# Altium PCB MIS_Locker.PcbDoc (part 3 of 3)
Units mil, origin at the board's own origin, x right, y up, seen from the top; angles counter-clockwise.
Board outline 11360 x 6709 mil, 2 copper layers (Top Layer, Bottom Layer); 356 components, 209 nets, 1076 pads, 244 vias.
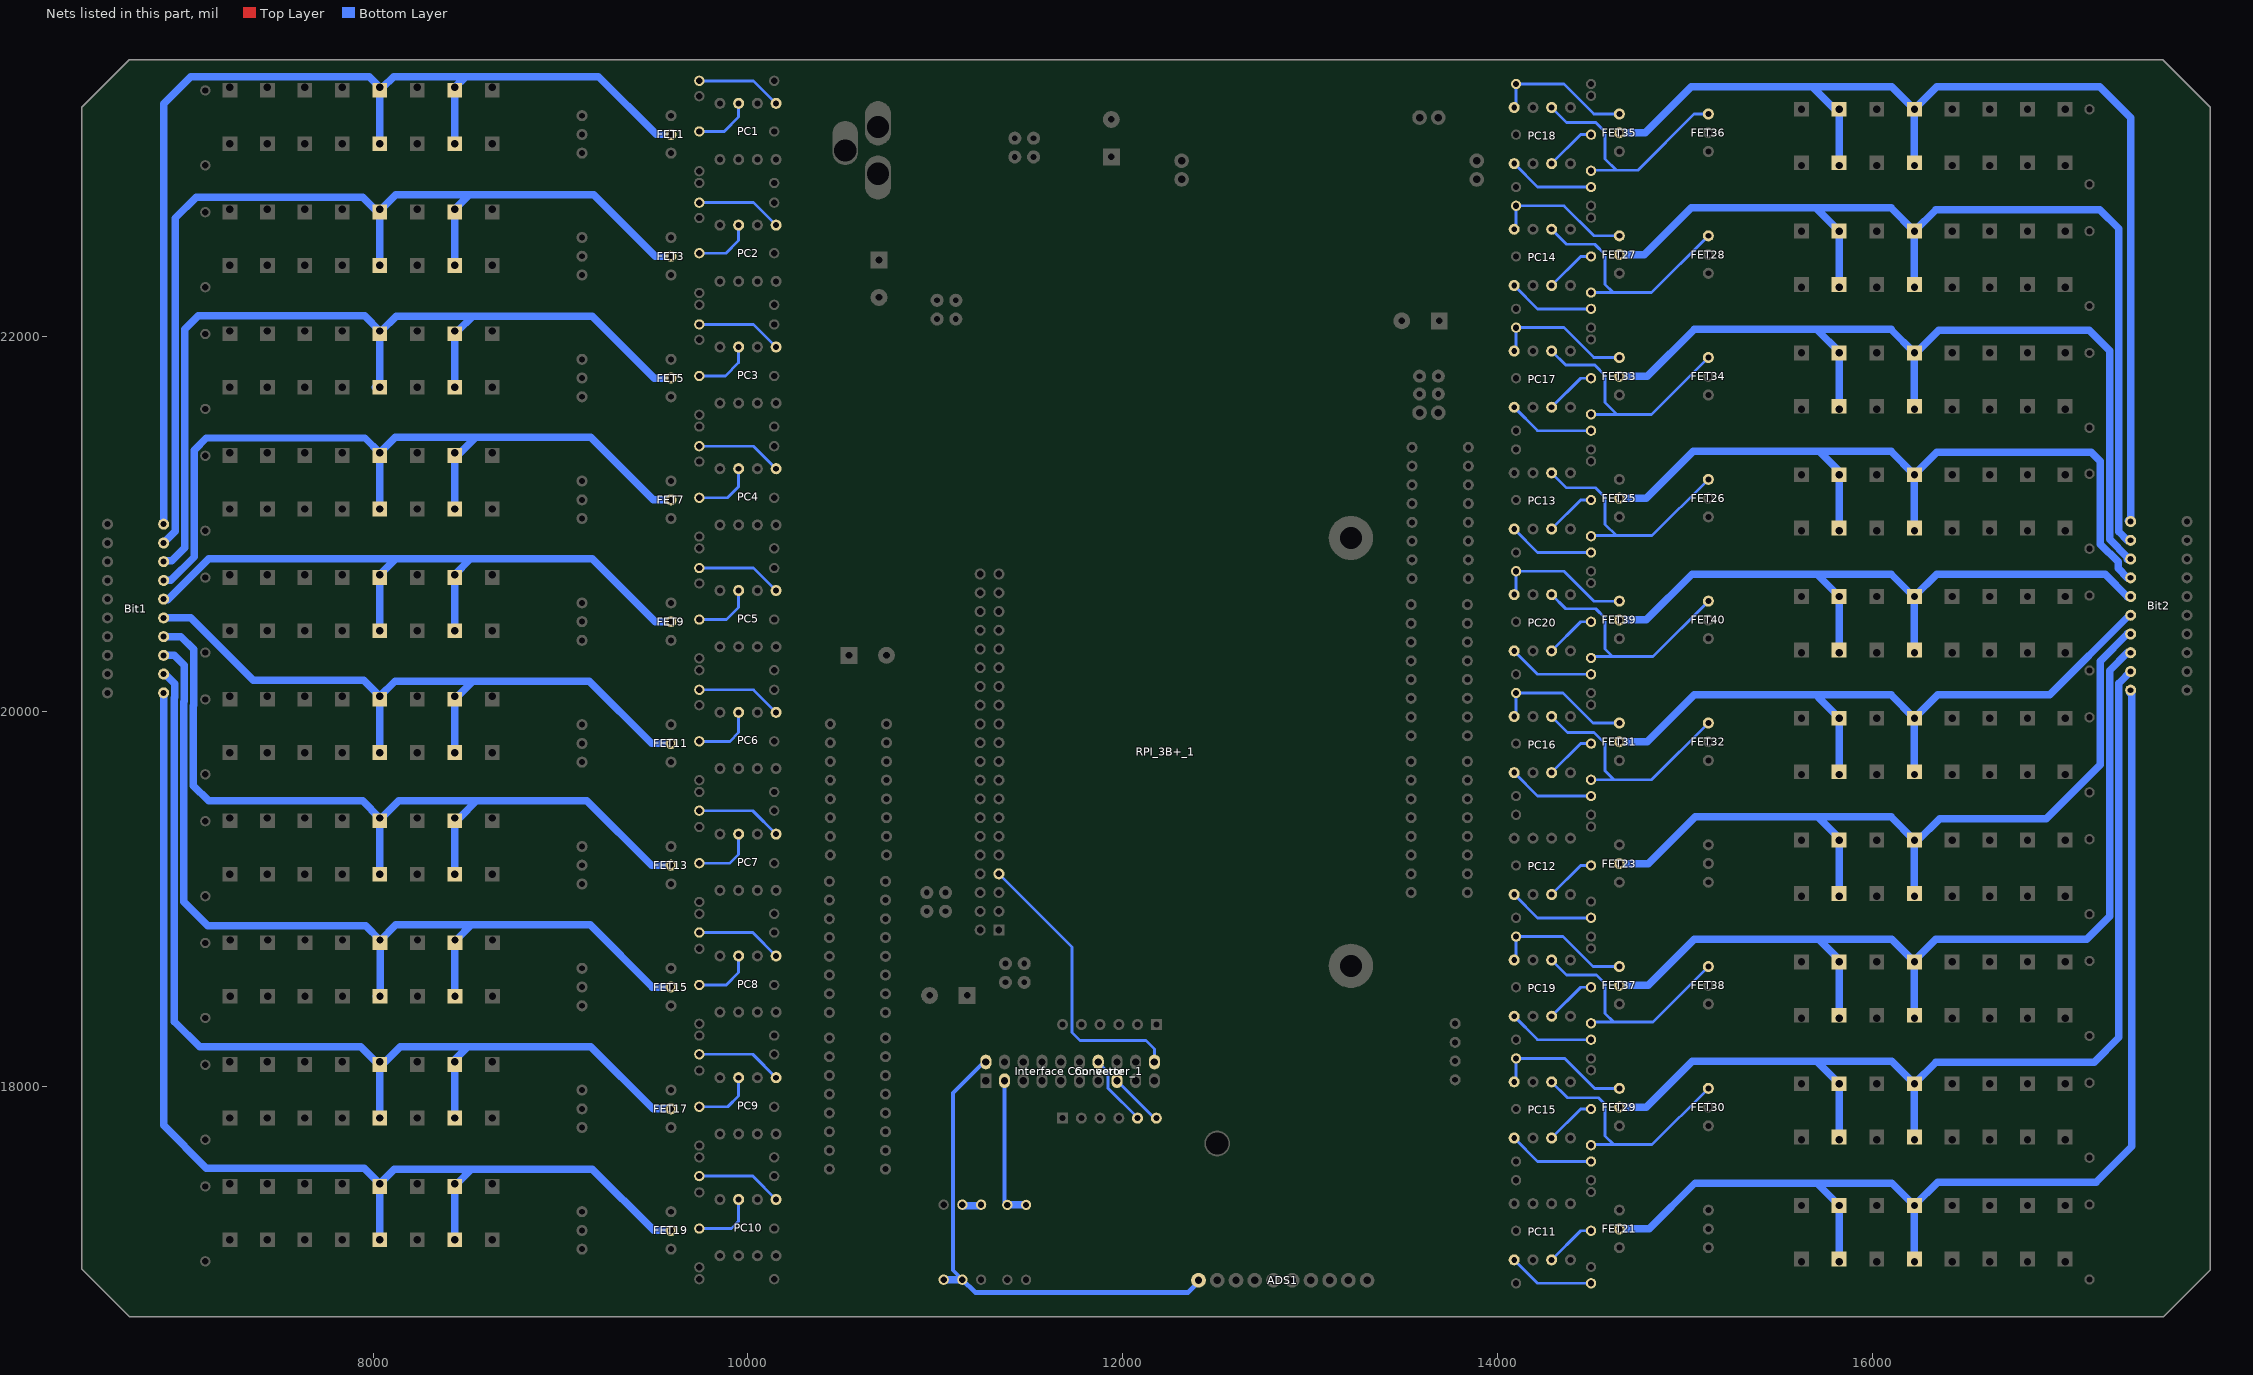
[diagram p3: the nets of this part, all layers, seen from the top]

## Via types
v1: diameter 50, hole 28, Top Layer to Bottom Layer, 208 vias
v2: diameter 25, hole 20, Top Layer to Bottom Layer, 31 vias
v3: diameter 137.8, hole 118.11, Top Layer to Bottom Layer, 4 vias
v4: diameter 25, hole 15, Top Layer to Bottom Layer, 1 vias

## Nets (pads, with @x,y where several pads share a name; then routed paths per layer and width w, separated by ;. In a path a pad name is that pad's centre, name@x,y a point inside that pad or via, vN(x,y) a via of type N, cw(c..) or ccw(c..) an arc to the next point about the centre after c; other vN are vias at no path point) (continued)
NetFET26_1: FET26.1 PC13.6 R73.1 | length 1320.2
  Bottom Layer w15: PC13.6@14290,21274.06 14370,21194.06 14525,21194.06 14575,21144.06 14575,20999.06 14635,20939.06 ; R73.1@14500,20936.06 14503,20939.06 14635,20939.06 ; FET26.1@15126,21239.13 14825.94,20939.06 14635,20939.06
NetFET27_1: FET27.1 PC14.8 R75.1 | length 746.4
  Bottom Layer w15: PC14.8@14090,22574.06 14100,22584.06 R75.1@14100,22699.06 14355,22699.06 14514.94,22539.13 FET27.1@14651,22539.13
NetFET28_1: FET28.1 PC14.6 R76.1 | length 1311.1
  Bottom Layer w15: PC14.6@14290,22574.06 14370,22494.06 14520,22494.06 14575,22439.06 14575,22279.06 14616.5,22237.56 ; R76.1@14500,22236.06 14822.94,22236.06 FET28.1@15126,22539.13
NetFET29_1: FET29.1 PC15.8 R82.1 | length 746.4
  Bottom Layer w15: PC15.8@14090,18024.06 14100,18034.06 R82.1@14100,18149.06 14360,18149.06 14519.94,17989.13 FET29.1@14651,17989.13
NetFET30_1: FET30.1 PC15.6 R83.1 | length 1320.3
  Bottom Layer w15: PC15.6@14290,18024.06 14375,17939.06 14540,17939.06 14575,17904.06 14575,17735 14620.94,17689.06 ; R83.1@14500,17686.06 14503,17689.06 14620.94,17689.06 ; FET30.1@15126,17989.13 14825.94,17689.06 14620.94,17689.06
NetFET31_1: FET31.1 PC16.8 R85.1 | length 746.4
  Bottom Layer w15: PC16.8@14090,19974.06 14100,19984.06 R85.1@14100,20099.06 14350,20099.06 14509.94,19939.13 FET31.1@14651,19939.13
NetFET32_1: FET32.1 PC16.6 R86.1 | length 1309.5
  Bottom Layer w15: PC16.6@14290,19974.06 14375,19889.06 14515,19889.06 14575,19829.06 14575,19684.06 14623,19636.06 ; R86.1@14500,19636.06 14623,19636.06 ; FET32.1@15126,19939.13 14822.94,19636.06 14623,19636.06
NetFET33_1: FET33.1 PC17.8 R88.1 | length 746.4
  Bottom Layer w15: PC17.8@14090,21924.06 14100,21934.06 R88.1@14100,22049.06 14355,22049.06 14514.94,21889.13 FET33.1@14651,21889.13
NetFET34_1: FET34.1 PC17.6 R89.1 | length 1324.5
  Bottom Layer w15: PC17.6@14290,21924.06 14365,21849.06 14520,21849.06 14575,21794.06 14575,21649.06 14638,21586.06 ; R89.1@14500,21586.06 14638,21586.06 ; FET34.1@15126,21889.13 14822.94,21586.06 14638,21586.06
NetFET35_1: FET35.1 PC18.8 R91.1 | length 746.4
  Bottom Layer w15: PC18.8@14090,23224.06 14100,23234.06 R91.1@14100,23349.06 14355,23349.06 14514.94,23189.13 FET35.1@14651,23189.13
NetFET36_1: FET36.1 PC18.6 R92.1 | length 1320.2
  Bottom Layer w15: PC18.6@14290,23224.06 14370,23144.06 14525,23144.06 14575,23094.06 14575,22949.06 14635,22889.06 ; R92.1@14500,22886.06 14503,22889.06 14635,22889.06 ; FET36.1@15126,23189.13 15050.06,23189.13 14750,22889.06 14635,22889.06
NetFET37_1: FET37.1 PC19.8 R98.1 | length 746.4
  Bottom Layer w15: PC19.8@14090,18674.06 14100,18684.06 R98.1@14100,18799.06 14350,18799.06 14509.94,18639.13 FET37.1@14651,18639.13
NetFET38_1: FET38.1 PC19.6 R99.1 | length 1313.3
  Bottom Layer w15: PC19.6@14290,18674.06 14370,18594.06 14530,18594.06 14575,18549.06 14575,18389.06 14620.94,18343.13 ; R99.1@14500,18336.06 14507.06,18343.13 14620.94,18343.13 ; FET38.1@15126,18639.13 14830,18343.13 14620.94,18343.13
NetFET39_1: FET39.1 PC20.8 R101.1 | length 746.4
  Bottom Layer w15: PC20.8@14090,20624.06 14100,20634.06 R101.1@14100,20749.06 14355,20749.06 14514.94,20589.13 FET39.1@14651,20589.13
NetFET40_1: FET40.1 PC20.6 R102.1 | length 1309.9
  Bottom Layer w15: PC20.6@14290,20624.06 14365,20549.06 14525,20549.06 14575,20499.06 14575,20334.06 14615,20294.06 ; R102.1@14500,20286.06 14508,20294.06 14615,20294.06 ; FET40.1@15126,20589.13 14830.94,20294.06 14615,20294.06
"NetInterface Connector_20": "Interface Connector.20" RPI_3B+_1.7 | length 1554
  Bottom Layer w15: RPI_3B+_1.7@11340.02,19134.06 11730,18744.08 11730,18288 11773,18245 12125,18245 12170,18200 12170,18130
NetPC1_1: PC1.1 R18.2 | length 459.7
  Bottom Layer w15: R18.2@9741,23366 10031,23366 PC1.1@10151,23246
NetPC1_3: PC1.3 R26.2 | length 314.9
  Bottom Layer w15: R26.2@9741,23096 9874,23096 9951,23173 PC1.3@9951,23246
NetPC2_1: PC2.1 R20.2 | length 459.7
  Bottom Layer w15: R20.2@9741,22716 10031,22716 PC2.1@10151,22596
NetPC2_3: PC2.3 R28.2 | length 320.2
  Bottom Layer w15: R28.2@9741,22446 9883,22446 9951,22514 PC2.3@9951,22596
NetPC3_1: PC3.1 R22.2 | length 459.7
  Bottom Layer w15: R22.2@9741,22066 10031,22066 PC3.1@10151,21946
NetPC3_3: PC3.3 R30.2 | length 323.4
  Bottom Layer w15: R30.2@9741,21791 9880,21791 9951,21862 PC3.3@9951,21946
NetPC4_1: PC4.1 R24.2 | length 459.7
  Bottom Layer w15: R24.2@9741,21416 10031,21416 PC4.1@10151,21296
NetPC4_3: PC4.3 R32.2 | length 330.4
  Bottom Layer w15: R32.2@9741,21141 9892,21141 9951,21200 PC4.3@9951,21296
NetPC5_1: PC5.1 R34.2 | length 459.7
  Bottom Layer w15: R34.2@9741,20766 10031,20766 PC5.1@10151,20646
NetPC5_3: PC5.3 R42.2 | length 326.9
  Bottom Layer w15: R42.2@9741,20491 9886,20491 9951,20556 PC5.3@9951,20646
NetPC6_1: PC6.1 R36.2 | length 459.7
  Bottom Layer w15: R36.2@9741,20116 10031,20116 PC6.1@10151,19996
NetPC6_3: PC6.3 R44.2 | length 337.5
  Bottom Layer w15: R44.2@9741,19841 9904,19841 9951,19888 PC6.3@9951,19996
NetPC7_1: PC7.1 R38.2 | length 461.8
  Bottom Layer w15: R38.2@9741,19471 10026,19471 PC7.1@10151,19346
NetPC7_3: PC7.3 R46.2 | length 337.5
  Bottom Layer w15: R46.2@9741,19191 9904,19191 9951,19238 PC7.3@9951,19346
NetPC8_1: PC8.1 R40.2 | length 461.8
  Bottom Layer w15: R40.2@9741,18821 10026,18821 PC8.1@10151,18696
NetPC8_3: PC8.3 R48.2 | length 326.3
  Bottom Layer w15: R48.2@9741,18541 9885,18541 9951,18607 PC8.3@9951,18696
NetPC9_1: PC9.1 R50.2 | length 461.8
  Bottom Layer w15: R50.2@9741,18171 10026,18171 PC9.1@10151,18046
NetPC9_3: PC9.3 R54.2 | length 331
  Bottom Layer w15: R54.2@9741,17891 9893,17891 9951,17949 PC9.3@9951,18046
NetPC10_1: PC10.1 R52.2 | length 461.8
  Bottom Layer w15: R52.2@9741,17521 10026,17521 PC10.1@10151,17396
NetPC10_3: PC10.3 R56.2 | length 342.2
  Bottom Layer w15: R56.2@9741,17241 9912,17241 9951,17280 PC10.3@9951,17396
NetPC11_1: PC11.1 R78.2 | length 461.8
  Bottom Layer w15: PC11.1@14090,17074.06 14215,16949.06 R78.2@14500,16949.06
NetPC11_3: PC11.3 R68.2 | length 274.2
  Bottom Layer w15: PC11.3@14290,17074.06 14445,17229.06 R68.2@14500,17229.06
NetPC12_1: PC12.1 R79.2 | length 461.8
  Bottom Layer w15: PC12.1@14090,19024.06 14215,18899.06 R79.2@14500,18899.06
NetPC12_3: PC12.3 R71.2 | length 274.2
  Bottom Layer w15: PC12.3@14290,19024.06 14445,19179.06 R71.2@14500,19179.06
NetPC13_1: PC13.1 R80.2 | length 461.8
  Bottom Layer w15: PC13.1@14090,20974.06 14215,20849.06 R80.2@14500,20849.06
NetPC13_3: PC13.3 R74.2 | length 274.2
  Bottom Layer w15: PC13.3@14290,20974.06 14445,21129.06 R74.2@14500,21129.06
NetPC14_1: PC14.1 R81.2 | length 461.8
  Bottom Layer w15: PC14.1@14090,22274.06 14215,22149.06 R81.2@14500,22149.06
NetPC14_3: PC14.3 R77.2 | length 274.2
  Bottom Layer w15: PC14.3@14290,22274.06 14445,22429.06 R77.2@14500,22429.06
NetPC15_1: PC15.1 R94.2 | length 461.8
  Bottom Layer w15: PC15.1@14090,17724.06 14215,17599.06 R94.2@14500,17599.06
NetPC15_3: PC15.3 R84.2 | length 274.2
  Bottom Layer w15: PC15.3@14290,17724.06 14445,17879.06 R84.2@14500,17879.06
NetPC16_1: PC16.1 R95.2 | length 461.8
  Bottom Layer w15: PC16.1@14090,19674.06 14215,19549.06 R95.2@14500,19549.06
NetPC16_3: PC16.3 R87.2 | length 274.2
  Bottom Layer w15: PC16.3@14290,19674.06 14445,19829.06 R87.2@14500,19829.06
NetPC17_1: PC17.1 R96.2 | length 461.8
  Bottom Layer w15: PC17.1@14090,21624.06 14215,21499.06 R96.2@14500,21499.06
NetPC17_3: PC17.3 R90.2 | length 274.2
  Bottom Layer w15: PC17.3@14290,21624.06 14445,21779.06 R90.2@14500,21779.06
NetPC18_1: PC18.1 R97.2 | length 461.8
  Bottom Layer w15: PC18.1@14090,22924.06 14215,22799.06 R97.2@14500,22799.06
NetPC18_3: PC18.3 R93.2 | length 274.2
  Bottom Layer w15: PC18.3@14290,22924.06 14445,23079.06 R93.2@14500,23079.06
NetPC19_1: PC19.1 R104.2 | length 461.8
  Bottom Layer w15: PC19.1@14090,18374.06 14215,18249.06 R104.2@14500,18249.06
NetPC19_3: PC19.3 R100.2 | length 274.2
  Bottom Layer w15: PC19.3@14290,18374.06 14445,18529.06 R100.2@14500,18529.06
NetPC20_1: PC20.1 R105.2 | length 461.8
  Bottom Layer w15: PC20.1@14090,20324.06 14215,20199.06 R105.2@14500,20199.06
NetPC20_3: PC20.3 R103.2 | length 274.2
  Bottom Layer w15: PC20.3@14290,20324.06 14445,20479.06 R103.2@14500,20479.06
NetR14_2: R14.2 R15.1 | length 100
  Bottom Layer w40: R14.2@11145.04,17363.16 R15.1@11245.04,17363.16
OK: "Interface Connector.11" ADS1.1 R13.2 R14.1 | length 2681.9
  Top Layer w25: ADS1.1@12405,16955 ADS1.1@12405,16965
  Bottom Layer w20: R14.1@11145.04,16968.16 11095,17018.2 11095,17965 11260,18130 11270,18130
  Bottom Layer w25: R14.1@11145.04,16968.16 11213.2,16900 12350,16900 ADS1.1@12405,16955
  Bottom Layer w40: R13.2@11045.04,16968.16 R14.1@11145.04,16968.16
RFID_0_H: "Interface Connector.8" Converter_1.1 | length 292.8
  Bottom Layer w15: 11970,18030 12170,17830 Converter_1.1@12180,17830
RFID_1_H: "Interface Connector.17" Converter_1.2 | length 387
  Bottom Layer w15: 11870,18130 11922.97,18077.03 11922.97,17989.85 12080,17832.82 Converter_1.2@12080,17830
SOLENOID01: *27.1 *27.2 *29.1 *29.2 Bit1.11 FET1.2 | length 5868.4
  Bottom Layer w40: Bit1.11@6882.5,21000 6882.5,23243.5 7027,23388 7979,23388 *29.1@8036.06,23330.94 ; *29.2@8036.06,23030.94 *29.1@8036.06,23330.94 ; *27.2@8436.06,23030.94 *27.1@8436.06,23330.94 8494,23388.87 ; FET1.2@9590,23080 9512,23080 9203.13,23388.87 8494,23388.87 ; *29.1@8036.06,23330.94 8051.94,23330.94 8109.87,23388.87 8494,23388.87
SOLENOID02: *39.1 *39.2 *41.1 *41.2 Bit1.12 FET3.2 | length 5355.6
  Bottom Layer w40: Bit1.12@6882.5,20900 6945,20962.5 6945,22634 7056,22745 7056,22746 7944,22746 8009.06,22680.94 *41.1@8036.06,22680.94 ; *41.2@8036.06,22380.94 *41.1@8036.06,22680.94 ; *39.2@8436.06,22380.94 *39.1@8436.06,22680.94 8513.13,22758 ; FET3.2@9590,22430 9506,22430 9178,22758 8513.13,22758 ; *41.1@8036.06,22680.94 8043.94,22680.94 8121,22758 8513.13,22758
SOLENOID03: *51.1 *51.2 *53.1 *53.2 Bit1.13 FET5.2 | length 4869.6
  Bottom Layer w40: Bit1.13@6900,20805 6925,20805 6995,20875 6995,22040 7067,22112 7955,22112 *53.1@8036.06,22030.94 ; *53.2@8010.94,21730.94 *53.2@8036.06,21730.94 *53.1@8036.06,22030.94 ; *51.2@8436.06,21730.94 *51.1@8436.06,22030.94 8451.94,22030.94 8531,22110 ; FET5.2@9590,21780 9500,21780 9170,22110 8531,22110 ; *53.1@8036.06,22030.94 8043.94,22030.94 8123,22110 8531,22110
SOLENOID04: *63.1 *63.2 *65.1 *65.2 Bit1.14 FET7.2 | length 4300.4
  Bottom Layer w40: Bit1.14@6900,20700 6920,20700 7045,20825 7045,21395 7110,21460 7957,21460 *65.1@8036.06,21380.94 ; *65.2@8036.06,21071.06 *65.2@8036.06,21080.94 *65.1@8036.06,21380.94 ; *63.2@8436.06,21080.94 *63.1@8436.06,21380.94 8464.94,21380.94 8548,21464 ; FET7.2@9590,21130 9495,21130 9161,21464 8548,21464 ; *65.1@8036.06,21380.94 8119.13,21464 8548,21464
SOLENOID05: *75.1 *75.2 *77.1 *77.2 Bit1.15 FET9.2 | length 3753.1
  Bottom Layer w40: Bit1.15@6904.3,20595.7 7123.6,20815 8120.13,20815 ; *77.2@8036.06,20430.94 *77.1@8036.06,20730.94 8120.13,20815 ; *75.2@8436.06,20430.94 *75.1@8436.06,20730.94 8520.13,20815 ; FET9.2@9590,20480 9505,20480 9170,20815 8520.13,20815 ; 8120.13,20815 8520.13,20815
SOLENOID06: *28.1 *28.2 *30.1 *30.2 Bit1.16 FET11.2 | length 3802.4
  Bottom Layer w40: Bit1.16@6882.5,20500 7026,20500 7360,20166 7951,20166 *30.1@8036.06,20080.94 ; *30.2@8036.06,19766.06 *30.2@8036.06,19780.94 *30.1@8036.06,20080.94 ; *28.2@8436.06,19776.06 *28.2@8436.06,19780.94 *28.1@8436.06,20080.94 8451.94,20080.94 8533,20162 ; FET11.2@9590,19830 9486,19830 9154,20162 8533,20162 ; *30.1@8036.06,20080.94 8117.13,20162 8533,20162
SOLENOID07: *40.1 *40.2 *42.1 *42.2 Bit1.17 FET13.2 | length 4497.2
  Bottom Layer w40: Bit1.17@6882.5,20400 6975,20400 7042.03,20332.97 7042.03,20033.92 7040,20031.89 7040,19605 7122,19523 7944.94,19523 *42.1@8036.06,19431.87 ; *42.2@8021.87,19131.87 *42.2@8036.06,19131.87 *42.1@8036.06,19431.87 ; *40.2@8426.87,19131.87 *40.2@8436.06,19131.87 *40.1@8436.06,19431.87 8458.87,19431.87 8552,19525 ; FET13.2@9590,19180 9486,19180 9141,19525 8552,19525 ; *42.1@8036.06,19431.87 8043.87,19431.87 8137,19525 8552,19525
SOLENOID08: *52.1 *52.2 *54.1 *54.2 Bit1.18 FET15.2 | length 4993.2
  Bottom Layer w40: Bit1.18@6882.5,20300 6940,20300 6992.03,20247.97 6992.03,20054.63 6990,20052.6 6990,18985 7118,18857 7961.06,18857 *54.1@8037.13,18780.94 ; *54.2@8015.94,18480.94 *54.2@8037.13,18480.94 *54.1@8037.13,18780.94 ; *52.2@8437.13,18480.94 *52.1@8437.13,18780.94 8443.94,18780.94 8525,18862 ; FET15.2@9590,18530 9491,18530 9159,18862 8525,18862 ; *54.1@8037.13,18780.94 8040.94,18780.94 8122,18862 8525,18862
SOLENOID09: *64.1 *64.2 *66.1 *66.2 Bit1.19 FET17.2 | length 5533.4
  Bottom Layer w40: Bit1.19@6882.5,20200 6890,20200 6942.03,20147.97 6942.03,20075.34 6940,20073.32 6940,18346 7075,18211 7934.06,18211 *66.1@8036.06,18109 ; *66.2@8020.94,17830.94 *66.2@8036.06,17830.94 *66.1@8036.06,18109 ; *64.2@8430.94,17830.94 *64.2@8436.06,17830.94 *64.1@8436.06,18130.94 8436.06,18142.06 8506,18212 ; FET17.2@9590,17880 9494,17880 9162,18212 8506,18212 ; *66.1@8036.06,18109 *66.1@8036.06,18130.94 8064.94,18130.94 8146,18212 8506,18212
SOLENOID10: *76.1 *76.2 *78.1 *78.2 Bit1.20 FET19.2 | length 6042.8
  Bottom Layer w40: Bit1.20@6882.5,20100 6882.5,17791.5 7110,17564 7953,17564 *78.1@8036.06,17480.94 ; *78.2@8036.06,17180.94 *78.1@8036.06,17480.94 ; *76.2@8436.06,17171.06 *76.2@8436.06,17180.94 *76.1@8436.06,17480.94 8447.94,17480.94 8525,17558 ; FET19.2@9590,17230.94 9497.06,17230.94 9170,17558 8525,17558 ; *78.1@8036.06,17480.94 8113.13,17558 8525,17558
SOLENOID11: *104.1 *104.2 *105.1 *105.2 Bit2.11 FET21.2 | length 6212
  Bottom Layer w40: FET21.2@14651,17239.13 14810.06,17239.13 15055,17484.06 15704,17484.06 ; *104.1@15824,17064.06 *104.2@15824,17364.06 15704,17484.06 ; *105.1@16226,17064.06 *105.2@16226,17364.06 ; Bit2.11@17375,20101.56 17385,20091.56 17385,17679.06 17195,17489.06 16351,17489.06 *105.2@16226,17364.06 ; 15704,17484.06 16106,17484.06 *105.2@16226,17364.06
SOLENOID12: *110.1 *110.2 *111.1 *111.2 Bit2.12 FET29.2 | length 5667.9
  Bottom Layer w40: FET29.2@14651,17889.13 14795.06,17889.13 15040,18134.06 15705,18134.06 ; *110.1@15824,17714.06 *110.2@15824,18014.06 15705,18133.06 15705,18134.06 ; *111.1@16226,17714.06 *111.2@16226,18014.06 ; Bit2.12@17380,20214.06 17317.56,20151.62 17317.56,18261.62 17185,18129.06 16341,18129.06 *111.2@16226,18014.06 ; 15705,18134.06 16106,18134.06 *111.2@16226,18014.06
SOLENOID13: *116.1 *116.2 *117.1 *117.2 Bit2.13 FET37.2 | length 5083.6
  Bottom Layer w40: FET37.2@14651,18539.13 14805.06,18539.13 15050,18784.06 15715,18784.06 ; *116.1@15824,18364.06 *116.2@15824,18664.06 15824,18675.06 15715,18784.06 ; *117.1@16226,18364.06 *117.2@16226,18664.06 ; Bit2.13@17362.5,20314.06 17267.56,20219.12 17267.56,18906.62 17145,18784.06 16340,18784.06 16226,18670.06 *117.2@16226,18664.06 ; 15715,18784.06 16106,18784.06 *117.2@16226,18664.06
SOLENOID14: *122.1 *122.2 *123.1 *123.2 Bit2.14 FET23.2 | length 4418.4
  Bottom Layer w40: FET23.2@14651,19189.13 14651.12,19189 14805.06,19189 15055.12,19439.06 15710,19439.06 ; *122.1@15824,19014.06 *122.2@15824,19314.06 15824,19325.06 15710,19439.06 ; *123.1@16226,19014.06 *123.2@16226,19314.06 ; Bit2.14@17362.5,20414.06 17217.56,20269.12 17217.56,19716.62 16930,19429.06 16360,19429.06 16245,19314.06 *123.2@16226,19314.06 ; 15710,19439.06 16101,19439.06 *123.2@16226,19314.06
SOLENOID15: *128.1 *128.2 *129.1 *129.2 Bit2.15 FET31.2 | length 3876.5
  Bottom Layer w40: FET31.2@14651,19839.13 14800.06,19839.13 15050,20089.06 15715,20089.06 ; *128.1@15824,19664.06 *128.2@15824,19964.06 15715,20073.06 15715,20089.06 ; *129.1@16226,19664.06 *129.2@16226,19964.06 ; Bit2.15@17373.75,20515.31 16947.5,20089.06 16351,20089.06 *129.2@16226,19964.06 ; 15715,20089.06 16101,20089.06 *129.2@16226,19964.06
SOLENOID16: *134.1 *134.2 *135.1 *135.2 Bit2.16 FET39.2 | length 3731
  Bottom Layer w40: FET39.2@14651,20489.13 14795.06,20489.13 15040,20734.06 15704,20734.06 ; *134.1@15824,20314.06 *134.2@15824,20614.06 15704,20734.06 ; *135.1@16226,20314.06 *135.2@16226,20614.06 ; Bit2.16@17362.5,20614.06 17243.5,20733.06 16345,20733.06 *135.2@16226,20614.06 ; 15704,20734.06 16101,20734.06 16221,20614.06 *135.2@16226,20614.06
SOLENOID17: *140.1 *140.2 *141.1 *141.2 Bit2.17 FET25.2 | length 4239.8
  Bottom Layer w40: FET25.2@14651,21139.13 14795.06,21139.13 15045,21389.06 15725,21389.06 ; *140.1@15824,20964.06 *140.2@15824,21264.06 15824,21282.06 15725,21381.06 15725,21389.06 ; *141.1@16226,20964.06 *141.2@16226,21264.06 ; Bit2.17@17362.5,20714.06 17312.5,20764.06 17312.5,20799.12 17217.56,20894.06 17217.56,21336.5 17170,21384.06 16346,21384.06 *141.2@16226,21264.06 ; 15725,21389.06 16101,21389.06 *141.2@16226,21264.06
SOLENOID18: *146.1 *146.2 *147.1 *147.2 Bit2.18 FET33.2 | length 4792.2
  Bottom Layer w40: FET33.2@14651,21789.13 14800,21789.13 15049.94,22039.06 15705,22039.06 ; *146.1@15824,21614.06 *146.2@15824,21914.06 15824,21920.06 15705,22039.06 ; *147.1@16226,21614.06 *147.2@16226,21914.06 ; Bit2.18@17362.5,20814.06 17362.5,20823.67 17267.56,20918.62 17267.56,21926.5 17160,22034.06 16355,22034.06 16235,21914.06 *147.2@16226,21914.06 ; 15705,22039.06 16101,22039.06 *147.2@16226,21914.06
SOLENOID19: *152.1 *152.2 *153.1 *153.2 Bit2.19 FET27.2 | length 5369.4
  Bottom Layer w40: FET27.2@14651,22439.13 14785.06,22439.13 15035,22689.06 15700,22689.06 ; *152.1@15824,22264.06 *152.2@15824,22564.06 15700,22688.06 15700,22689.06 ; *153.1@16226,22264.06 *153.2@16226,22564.06 ; Bit2.19@17362.5,20914.06 17317.56,20959 17317.56,22576.5 17215,22679.06 16341,22679.06 *153.2@16226,22564.06 ; 15700,22689.06 16101,22689.06 *153.2@16226,22564.06
SOLENOID20: *158.1 *158.2 *159.1 *159.2 Bit2.20 FET35.2 | length 5947
  Bottom Layer w40: FET35.2@14651,23089.13 14790,23089.13 15034.94,23334.06 15680,23334.06 ; *159.1@15824,22914.06 *159.2@15824,23214.06 15800,23214.06 15680,23334.06 ; *158.1@16226,22914.06 *158.2@16226,23214.06 ; Bit2.20@17367.56,21019.12 17380,21031.56 17380,23169.06 17215,23334.06 16346,23334.06 *158.2@16226,23214.06 ; 15680,23334.06 16106,23334.06 *158.2@16226,23214.06
UP: "Interface Connector.2" R16.2 R17.1 | length 760.9
  Bottom Layer w20: R16.2@11370,17367.23 11370,18030
  Bottom Layer w40: R16.2@11380,17368.13 R17.1@11478.13,17368.13
pads on no net: 1.15 2.15 3.7 3.9 3.15 4.7 4.9 4.15 5.15 6.15 ADS1.4 ADS1.5 ADS1.6 Converter_1.6 Converter_1.12 RPI_3B+_1. RPI_3B+_1.8 RPI_3B+_1.10 RPI_3B+_1.17 RPI_3B+_1.20 RPI_3B+_1.22 RPI_3B+_1.24 RPI_3B+_1.26 RPI_3B+_1.27 RPI_3B+_1.28 RPI_3B+_1.29 RPI_3B+_1.31 RPI_3B+_1.32 RPI_3B+_1.33 RPI_3B+_1.35 RPI_3B+_1.36 RPI_3B+_1.37 RPI_3B+_1.38 RPI_3B+_1.40 RTC1.
copper on no net:
  other v3: 17555,17015 6700,17025 6699,23225 17551,23230

## Polygon pours and split planes (outlines as drawn)
GND on Bottom Layer "Bottom Layer-GND 1" (solid, pour order 19): 6445,23225 6699,23479 17551,23479 17805,23225 17805,17020 17555,16770 6700,16770 6445,17025
12V on Bottom Layer "Bottom Layer-12V" (solid, pour order 6): 12003,23064.96 11742.24,23065 11672.24,22995 10647,22995 10531,22879 10531,22772 10598,22705 11815,22705 12105,22995 12344,22995 12434,22905 13920,22905 13920,23055.91 13784.91,23191 13782.87,23188.96 13665,23188.96 13665,23105 13625,23065 12500,23065 12400,23165 12103.04,23165
GND on Bottom Layer "Bottom Layer-GND" (solid, pour order 17): 11965,23180 11965,23094.22 11945.78,23075.01 11732.01,23075.01 11668,23011 11072,23011 11050.13,22989.13 10605,22989.13 10605,22931.06 10563.94,22890 10475.02,22890 10435.02,22930 10435.02,23267.02 10605,23437 11590,23437 11827.32,23180
GND on Bottom Layer "Isolated_GND" (solid, pour order 16): 10450,23259 10450,23135.93 10590.41,22992 10735,22992 11056.14,22991.99 11088.4,23023 11653.88,23023 11733.88,23103 11903.24,23103 11578.26,23427.98 10618.98,23427.98
5V_RASP on Bottom Layer "Bottom Layer-5V_RASP 1" (solid, pour order 12): 11048.73,18903.94 11056.51,18966.16 11239.93,18966.16 11260,18946.09 11260,18820 11218.27,18820
5V_RASP on Bottom Layer "Bottom Layer-5V_RASP" (solid, pour order 10): 12317,22980 12115,22980 11715,22580 10576.58,22580 10492,22495.42 10492,20348 10540,20300 10586,20346 10586,22423 10639,22476 11843,22476 12272,22905 12317,22905
5V on Bottom Layer "Bottom Layer-5V" (solid, pour order 9): 10746,22454 13571,22454 13737,22288 13737,21647 13685,21595 13640,21640 13640,22135 13607,22168 10943,22168 10745,22366 10746,22367
GND on Top Layer "Top Layer-GND" (solid, pour order 18): 6445,23225 6699,23479 17551,23479 17805,23225 17805,17020 17555,16770 6700,16770 6445,17025
12V on Top Layer "12V_L01_P008" (solid, pour order 8): 12850,22932.2 12481.87,22564.06 11783.29,22564.06 11695,22475.77 11695,18001.32 11680,17986.32 11655.01,17986.32 11645,17996.33 11645,18251.43 11595,18301.43 11595,18395.55 11640,18440.55 11640,22475 11540,22575 10462,22575 10231,22806 10231,22939.5 10129.5,23041 9852,23041 9614,23279 8773,23279 8724,23230 8725,23229 8725,17269.87 8685.43,17230.31 8595.13,17140 7875,17140 7745,17270 7745,23260 7909,23424 10180.2,23424 10420,23184.2 10420,22872 10590,22702 12332,22702 12694.96,23064.96 12785.04,23064.96 12850,23000
5V on Top Layer "5V_L01_P014" (solid, pour order 14): 10665,22410 10581,22494 9821,22494 9801,22514 9801,22749 9741,22809 9663,22731 9663,17124 9663.7,17124 9721,17066.7 9720.38,17066.08 9720.38,17053 9722,17053 9741,17034 9760,17053 9762.5,17053 9765,17055.5 9765,17070 9801,17106 9801,22313.19 9852.81,22365 10357,22365 10400,22322 10400,20184.19 10790,19794.19 10790,19366.5 10756.5,19333 10781.5,19308 10783.25,19308 10783.25,19126.25 10752,19095 10786,19061 10786,18530 10750.06,18494.06 10783.13,18461 10783.13,18291.13 10751,18259 10785.03,18224.97 10785.03,17736.03 10755,17706 10713,17706 10688,17681 10688,17629 10708,17609 10779,17609 10854,17684 10854,18187.31 10918.75,18252.06 11507.65,18252.06 11548.8,18210.91 11548.8,18146.21 11570,18125 11585,18140 11590,18140 11590,18226.89 11523.87,18293.03 10916.97,18293.03 10854,18356 10854,19888 10478,20264 10478,22326 10518,22366 10621,22366
5V_RASP on Top Layer "Top Layer-5V_RASP" (solid, pour order 11): 10933,19939.55 10933,18990 10955,18968 11053.94,18968 11053.94,18934.06 11053.94,18915 11053.94,18900 10923,18900 10865,18958 10865,19891.88 10491,20265.88 10491,20288 10584.55,20288
5V on Top Layer "Top Layer-5V 1" (solid, pour order 15): 13734.5,22129 13803,22198 14395,22198 14447,22250 14436,23216.06 14503,23283.06 14570,23216.06 14570,17569.06 14500,17499.06 14444,17555.06 14444,21942 14390,21996 13913,21996 13849,21932 13849,21536 13647,21334 13647,19055 13605,19013 13545.03,19013 13542.43,19055 13587.03,19055 13605,19072.97 13605,19583 13553.5,19634.5 13605,19686 13605,19821 13555.06,19870.94 13611,19926.87 13611,20426 13562,20470 13617,20538 13617,20652 13562,20707 13611,20778 13611,21245 13578,21290 13558,21310 13801,21553 13801,21973 13734,22040 13734.5,22040.5
12V on Top Layer "Top Layer-12V 3" (solid, pour order 7): 13665,23135 13665,22942 13700,22907 13987,22907 14365,23285 15450,23285 15560,23175 15560,17140 15660,17040 16389,17040 16485,17136 16485,23375 16425,23435 13965,23435

## Keep-outs
Keep-Out Layer:
  lines w7.87: 11885,23200 11870,23200 11830.94,23200 11810.94,23220 11635.94,23395 10563,23395 10435.02,23267.02 10435.02,22999.98 10435.02,22930 10475.02,22890 10563.94,22890 10605,22931.06 10605,22989.13 10724.87,22989.13 11050.13,22989.13 11072,23011 11085,23011 11668,23011 11732.01,23075.01 11970.01,23075.01 11982.5,23087.5 11982.5,23115 ; 6445,17025 6445,23225 6699,23479 17551,23479 17805,23225 17805,17020 17555,16770 6700,16770 6445,17025

## Silkscreen, mask and mechanical layers (free items; w line width, h text height)
Top Overlay:
  text "ELECTRONICS LOCKER" at 10968.8,17649.53 h130
  text "Version 1.0" at 10973.8,17433.59 h130
  text "A product of Maker Innovation Space" at 12460,17251 h90
  text "Can Tho University, Nov 2019" at 12475,17065.94 h90
  text "(c) 2019 Minh-An Dao, Minh-Luan Nguyen" at 15800,16835 h100
Bottom Overlay:
  text "(c) 2019 Minh-An Dao, Minh-Luan Nguyen" at 6515,17230 h100 r270

## Text inside footprints (layer, text, board x,y; h text height)
1: Top Overlay "Q1" at 10490.02,19944.06 h15 r270; Top Overlay "Q3" at 10490.02,19746.56 h15 r270; Top Overlay "Q5" at 10490.02,19544.06 h15 r270; Top Overlay "Q7" at 10490.02,19346.56 h15 r270; Top Overlay "Q2" at 10490.02,19846.56 h15 r270; Top Overlay "Q4" at 10490.02,19646.56 h15 r270; Top Overlay "Q6" at 10490.02,19444.06 h15 r270; Top Overlay "GND" at 10490.02,19254.06 h15 r270; Top Overlay "VCC" at 10677.52,19954.06 h15 r270; Top Overlay "Q0" at 10677.52,19846.56 h15 r270; Top Overlay "DS" at 10677.52,19746.56 h15 r270; Top Overlay "ST_CP" at 10677.52,19569.06 h15 r270; Top Overlay "!MR" at 10677.52,19346.56 h15 r270; Top Overlay "!OE" at 10677.52,19646.56 h15 r270; Top Overlay "SH_CP" at 10675.02,19469.06 h15 r270; Top Overlay "Q7'" at 10677.52,19246.56 h15 r270; Top Overlay "595" at 10570.02,19889.06 h25
2: Top Overlay "Q1" at 10485.02,19104.06 h15 r270; Top Overlay "Q3" at 10485.02,18906.56 h15 r270; Top Overlay "Q5" at 10485.02,18704.06 h15 r270; Top Overlay "Q7" at 10485.02,18506.56 h15 r270; Top Overlay "Q2" at 10485.02,19006.56 h15 r270; Top Overlay "Q4" at 10485.02,18806.56 h15 r270; Top Overlay "Q6" at 10485.02,18604.06 h15 r270; Top Overlay "GND" at 10485.02,18414.06 h15 r270; Top Overlay "VCC" at 10672.52,19114.06 h15 r270; Top Overlay "Q0" at 10672.52,19006.56 h15 r270; Top Overlay "DS" at 10672.52,18906.56 h15 r270; Top Overlay "ST_CP" at 10672.52,18729.06 h15 r270; Top Overlay "!MR" at 10672.52,18506.56 h15 r270; Top Overlay "!OE" at 10672.52,18806.56 h15 r270; Top Overlay "SH_CP" at 10670.02,18629.06 h15 r270; Top Overlay "Q7'" at 10672.52,18406.56 h15 r270; Top Overlay "595" at 10565.02,19049.06 h25
3: Top Overlay "Q1" at 10485.04,18268.13 h15 r270; Top Overlay "Q3" at 10485.04,18070.63 h15 r270; Top Overlay "Q5" at 10485.04,17868.13 h15 r270; Top Overlay "Q7" at 10485.04,17670.63 h15 r270; Top Overlay "Q2" at 10485.04,18170.63 h15 r270; Top Overlay "Q4" at 10485.04,17970.63 h15 r270; Top Overlay "Q6" at 10485.04,17768.13 h15 r270; Top Overlay "GND" at 10485.04,17578.13 h15 r270; Top Overlay "VCC" at 10672.54,18278.13 h15 r270; Top Overlay "Q0" at 10672.54,18170.63 h15 r270; Top Overlay "DS" at 10672.54,18070.63 h15 r270; Top Overlay "ST_CP" at 10672.54,17893.13 h15 r270; Top Overlay "!MR" at 10672.54,17670.63 h15 r270; Top Overlay "!OE" at 10672.54,17970.63 h15 r270; Top Overlay "SH_CP" at 10670.04,17793.13 h15 r270; Top Overlay "Q7'" at 10672.54,17570.63 h15 r270; Top Overlay "595" at 10565.04,18213.13 h25
4: Top Overlay "Q1" at 13795.02,20700 h15 r90; Top Overlay "Q3" at 13795.02,20897.5 h15 r90; Top Overlay "Q5" at 13795.02,21100 h15 r90; Top Overlay "Q7" at 13795.02,21297.5 h15 r90; Top Overlay "Q2" at 13795.02,20797.5 h15 r90; Top Overlay "Q4" at 13795.02,20997.5 h15 r90; Top Overlay "Q6" at 13795.02,21200 h15 r90; Top Overlay "GND" at 13795.02,21390 h15 r90; Top Overlay "VCC" at 13607.52,20690 h15 r90; Top Overlay "Q0" at 13607.52,20797.5 h15 r90; Top Overlay "DS" at 13607.52,20897.5 h15 r90; Top Overlay "ST_CP" at 13607.52,21075 h15 r90; Top Overlay "!MR" at 13607.52,21297.5 h15 r90; Top Overlay "!OE" at 13607.52,20997.5 h15 r90; Top Overlay "SH_CP" at 13610.02,21175 h15 r90; Top Overlay "Q7'" at 13607.52,21397.5 h15 r90; Top Overlay "595" at 13715.02,20755 h25 r180
5: Top Overlay "Q1" at 13790.02,19860.94 h15 r90; Top Overlay "Q3" at 13790.02,20058.44 h15 r90; Top Overlay "Q5" at 13790.02,20260.94 h15 r90; Top Overlay "Q7" at 13790.02,20458.44 h15 r90; Top Overlay "Q2" at 13790.02,19958.44 h15 r90; Top Overlay "Q4" at 13790.02,20158.44 h15 r90; Top Overlay "Q6" at 13790.02,20360.94 h15 r90; Top Overlay "GND" at 13790.02,20550.94 h15 r90; Top Overlay "VCC" at 13602.52,19850.94 h15 r90; Top Overlay "Q0" at 13602.52,19958.44 h15 r90; Top Overlay "DS" at 13602.52,20058.44 h15 r90; Top Overlay "ST_CP" at 13602.52,20235.94 h15 r90; Top Overlay "!MR" at 13602.52,20458.44 h15 r90; Top Overlay "!OE" at 13602.52,20158.44 h15 r90; Top Overlay "SH_CP" at 13605.02,20335.94 h15 r90; Top Overlay "Q7'" at 13602.52,20558.44 h15 r90; Top Overlay "595" at 13710.02,19915.94 h25 r180
5V_peripheral: Bottom Overlay "IN" at 13460,23095 h47.24; Bottom Overlay "OUT" at 13460,21620 h47.24
5V_Rasp: Top Overlay "IN" at 13815,22715 h47.24 r270; Top Overlay "OUT" at 12340,22715 h47.24 r270
6: Top Overlay "Q1" at 13790.02,19024.06 h15 r90; Top Overlay "Q3" at 13790.02,19221.56 h15 r90; Top Overlay "Q5" at 13790.02,19424.06 h15 r90; Top Overlay "Q7" at 13790.02,19621.56 h15 r90; Top Overlay "Q2" at 13790.02,19121.56 h15 r90; Top Overlay "Q4" at 13790.02,19321.56 h15 r90; Top Overlay "Q6" at 13790.02,19524.06 h15 r90; Top Overlay "GND" at 13790.02,19714.06 h15 r90; Top Overlay "VCC" at 13602.52,19014.06 h15 r90; Top Overlay "Q0" at 13602.52,19121.56 h15 r90; Top Overlay "DS" at 13602.52,19221.56 h15 r90; Top Overlay "ST_CP" at 13602.52,19399.06 h15 r90; Top Overlay "!MR" at 13602.52,19621.56 h15 r90; Top Overlay "!OE" at 13602.52,19321.56 h15 r90; Top Overlay "SH_CP" at 13605.02,19499.06 h15 r90; Top Overlay "Q7'" at 13602.52,19721.56 h15 r90; Top Overlay "595" at 13710.02,19079.06 h25 r180
ADS1: Bottom Overlay "A3" at 12385,17040 h35 r270; Bottom Overlay "A2" at 12485,17040 h35 r270; Bottom Overlay "A1" at 12585,17040 h35 r270; Bottom Overlay "A0" at 12685,17040 h35 r270; Bottom Overlay "ALRT" at 12785,17040 h35 r270; Bottom Overlay "ADDR" at 12885,17040 h35 r270; Bottom Overlay "SDA" at 12985,17040 h35 r270; Bottom Overlay "SCL" at 13085,17040 h35 r270; Bottom Overlay "GND" at 13185,17040 h35 r270; Bottom Overlay "VDD" at 13285,17040 h35 r270; Bottom Overlay "12Bit I2C ADC+PGA" at 13145,17450 h35
Bit1: Top Overlay "9" at 6632.5,20200 h25 r270; Top Overlay "10" at 6632.5,20100 h25 r270; Top Overlay "8" at 6632.5,20300 h25 r270; Top Overlay "7" at 6632.5,20400 h25 r270; Top Overlay "6" at 6632.5,20500 h25 r270; Top Overlay "5" at 6632.5,20600 h25 r270; Top Overlay "1" at 6632.5,21000 h25 r270; Top Overlay "2" at 6632.5,20900 h25 r270; Top Overlay "3" at 6632.5,20800 h25 r270; Top Overlay "4" at 6632.5,20700 h25 r270; Top Overlay "ON" at 6807.5,20925 h25 r270
Bit2: Top Overlay "9" at 17630,20914.06 h25 r90; Top Overlay "10" at 17630,21014.06 h25 r90; Top Overlay "8" at 17630,20814.06 h25 r90; Top Overlay "7" at 17630,20714.06 h25 r90; Top Overlay "6" at 17630,20614.06 h25 r90; Top Overlay "5" at 17630,20514.06 h25 r90; Top Overlay "1" at 17630,20114.06 h25 r90; Top Overlay "2" at 17630,20214.06 h25 r90; Top Overlay "3" at 17630,20314.06 h25 r90; Top Overlay "4" at 17630,20414.06 h25 r90; Top Overlay "ON" at 17455,20189.06 h25 r90
Converter_1: Bottom Overlay "LV1" at 11660,18150 h30 r270; Bottom Overlay "LV2" at 11760,18150 h30 r270; Bottom Overlay "3.3V" at 11860,18150 h30 r270; Bottom Overlay "GND" at 11960,18150 h30 r270; Bottom Overlay "LV3" at 12060,18150 h30 r270; Bottom Overlay "LV4" at 12160,18150 h30 r270; Bottom Overlay "HV1" at 11660,17905 h30 r270; Bottom Overlay "HV2" at 11760,17905 h30 r270; Bottom Overlay "5V" at 11860,17905 h30 r270; Bottom Overlay "GND" at 11960,17905 h30 r270; Bottom Overlay "HV3" at 12060,17905 h30 r270; Bottom Overlay "HV4" at 12160,17905 h30 r270
FET1: Top Overlay "S" at 9655,23175 h15 r90; Top Overlay "D" at 9655,23075 h15 r90; Top Overlay "G" at 9655,22975 h15 r90
FET2: Top Overlay "S" at 9180,23175 h15 r90; Top Overlay "D" at 9180,23075 h15 r90; Top Overlay "G" at 9180,22975 h15 r90
FET3: Top Overlay "S" at 9655,22525 h15 r90; Top Overlay "D" at 9655,22425 h15 r90; Top Overlay "G" at 9655,22325 h15 r90
FET4: Top Overlay "S" at 9180,22525 h15 r90; Top Overlay "D" at 9180,22425 h15 r90; Top Overlay "G" at 9180,22325 h15 r90
FET5: Top Overlay "S" at 9655,21875 h15 r90; Top Overlay "D" at 9655,21775 h15 r90; Top Overlay "G" at 9655,21675 h15 r90
FET6: Top Overlay "S" at 9180,21875 h15 r90; Top Overlay "D" at 9180,21775 h15 r90; Top Overlay "G" at 9180,21675 h15 r90
FET7: Top Overlay "S" at 9655,21225 h15 r90; Top Overlay "D" at 9655,21125 h15 r90; Top Overlay "G" at 9655,21025 h15 r90
FET8: Top Overlay "S" at 9180,21225 h15 r90; Top Overlay "D" at 9180,21125 h15 r90; Top Overlay "G" at 9180,21025 h15 r90
FET9: Top Overlay "S" at 9655,20575 h15 r90; Top Overlay "D" at 9655,20475 h15 r90; Top Overlay "G" at 9655,20375 h15 r90
FET10: Top Overlay "S" at 9180,20575 h15 r90; Top Overlay "D" at 9180,20475 h15 r90; Top Overlay "G" at 9180,20375 h15 r90
FET11: Top Overlay "S" at 9655,19925 h15 r90; Top Overlay "D" at 9655,19825 h15 r90; Top Overlay "G" at 9655,19725 h15 r90
FET12: Top Overlay "S" at 9180,19925 h15 r90; Top Overlay "D" at 9180,19825 h15 r90; Top Overlay "G" at 9180,19725 h15 r90
FET13: Top Overlay "S" at 9655,19275 h15 r90; Top Overlay "D" at 9655,19175 h15 r90; Top Overlay "G" at 9655,19075 h15 r90
FET14: Top Overlay "S" at 9180,19275 h15 r90; Top Overlay "D" at 9180,19175 h15 r90; Top Overlay "G" at 9180,19075 h15 r90
FET15: Top Overlay "S" at 9655,18625 h15 r90; Top Overlay "D" at 9655,18525 h15 r90; Top Overlay "G" at 9655,18425 h15 r90
FET16: Top Overlay "S" at 9180,18625 h15 r90; Top Overlay "D" at 9180,18525 h15 r90; Top Overlay "G" at 9180,18425 h15 r90
FET17: Top Overlay "S" at 9655,17975 h15 r90; Top Overlay "D" at 9655,17875 h15 r90; Top Overlay "G" at 9655,17775 h15 r90
FET18: Top Overlay "S" at 9180,17975 h15 r90; Top Overlay "D" at 9180,17875 h15 r90; Top Overlay "G" at 9180,17775 h15 r90
FET19: Top Overlay "S" at 9655,17325.94 h15 r90; Top Overlay "D" at 9655,17225.94 h15 r90; Top Overlay "G" at 9655,17125.94 h15 r90
FET20: Top Overlay "S" at 9180,17325.94 h15 r90; Top Overlay "D" at 9180,17225.94 h15 r90; Top Overlay "G" at 9180,17125.94 h15 r90
FET21: Top Overlay "S" at 14586,17144.13 h15 r270; Top Overlay "D" at 14586,17244.13 h15 r270; Top Overlay "G" at 14586,17344.13 h15 r270
FET22: Top Overlay "S" at 15061,17144.13 h15 r270; Top Overlay "D" at 15061,17244.13 h15 r270; Top Overlay "G" at 15061,17344.13 h15 r270
FET23: Top Overlay "S" at 14586,19094.13 h15 r270; Top Overlay "D" at 14586,19194.13 h15 r270; Top Overlay "G" at 14586,19294.13 h15 r270
FET24: Top Overlay "S" at 15061,19094.13 h15 r270; Top Overlay "D" at 15061,19194.13 h15 r270; Top Overlay "G" at 15061,19294.13 h15 r270
FET25: Top Overlay "S" at 14586,21044.13 h15 r270; Top Overlay "D" at 14586,21144.13 h15 r270; Top Overlay "G" at 14586,21244.13 h15 r270
FET26: Top Overlay "S" at 15061,21044.13 h15 r270; Top Overlay "D" at 15061,21144.13 h15 r270; Top Overlay "G" at 15061,21244.13 h15 r270
FET27: Top Overlay "S" at 14586,22344.13 h15 r270; Top Overlay "D" at 14586,22444.13 h15 r270; Top Overlay "G" at 14586,22544.13 h15 r270
FET28: Top Overlay "S" at 15061,22344.13 h15 r270; Top Overlay "D" at 15061,22444.13 h15 r270; Top Overlay "G" at 15061,22544.13 h15 r270
FET29: Top Overlay "S" at 14586,17794.13 h15 r270; Top Overlay "D" at 14586,17894.13 h15 r270; Top Overlay "G" at 14586,17994.13 h15 r270
FET30: Top Overlay "S" at 15061,17794.13 h15 r270; Top Overlay "D" at 15061,17894.13 h15 r270; Top Overlay "G" at 15061,17994.13 h15 r270
FET31: Top Overlay "S" at 14586,19744.13 h15 r270; Top Overlay "D" at 14586,19844.13 h15 r270; Top Overlay "G" at 14586,19944.13 h15 r270
FET32: Top Overlay "S" at 15061,19744.13 h15 r270; Top Overlay "D" at 15061,19844.13 h15 r270; Top Overlay "G" at 15061,19944.13 h15 r270
FET33: Top Overlay "S" at 14586,21694.13 h15 r270; Top Overlay "D" at 14586,21794.13 h15 r270; Top Overlay "G" at 14586,21894.13 h15 r270
FET34: Top Overlay "S" at 15061,21694.13 h15 r270; Top Overlay "D" at 15061,21794.13 h15 r270; Top Overlay "G" at 15061,21894.13 h15 r270
FET35: Top Overlay "S" at 14586,22994.13 h15 r270; Top Overlay "D" at 14586,23094.13 h15 r270; Top Overlay "G" at 14586,23194.13 h15 r270
FET36: Top Overlay "S" at 15061,22994.13 h15 r270; Top Overlay "D" at 15061,23094.13 h15 r270; Top Overlay "G" at 15061,23194.13 h15 r270
FET37: Top Overlay "S" at 14586,18444.13 h15 r270; Top Overlay "D" at 14586,18544.13 h15 r270; Top Overlay "G" at 14586,18644.13 h15 r270
FET38: Top Overlay "S" at 15061,18444.13 h15 r270; Top Overlay "D" at 15061,18544.13 h15 r270; Top Overlay "G" at 15061,18644.13 h15 r270
FET39: Top Overlay "S" at 14586,20394.13 h15 r270; Top Overlay "D" at 14586,20494.13 h15 r270; Top Overlay "G" at 14586,20594.13 h15 r270
FET40: Top Overlay "S" at 15061,20394.13 h15 r270; Top Overlay "D" at 15061,20494.13 h15 r270; Top Overlay "G" at 15061,20594.13 h15 r270
"Interface Connector": Top Overlay "1" at 11160.75,18000.47 h60; Top Overlay "11" at 11135,18120 h60; Top Overlay "10" at 12230,18005 h60; Top Overlay "20" at 12225,18100 h60
J1: Top Overlay "+" at 10770,22970 h50 r270; Top Overlay "-" at 10770,23295 h50 r270; Top Overlay "-" at 10520,23145 h50 r270
PC1: Top Overlay "PC817" at 9888.5,23133.5 h20 r270; Top Overlay "PC817" at 10088.5,23133.5 h20 r270; Top Overlay "E2" at 9863.5,23008.5 h15 r180; Top Overlay "C2" at 9963.5,23008.5 h15 r180; Top Overlay "E1" at 10063.5,23008.5 h15 r180; Top Overlay "C1" at 10163.5,23008.5 h15 r180; Top Overlay "-In2" at 9876,23196 h15 r180; Top Overlay "-In1" at 10076,23196 h15 r180; Top Overlay "+In2" at 9976,23196 h15 r180; Top Overlay "+In1" at 10176,23196 h15 r180
PC2: Top Overlay "PC817" at 9888.5,22483.5 h20 r270; Top Overlay "PC817" at 10088.5,22483.5 h20 r270; Top Overlay "E2" at 9863.5,22358.5 h15 r180; Top Overlay "C2" at 9963.5,22358.5 h15 r180; Top Overlay "E1" at 10063.5,22358.5 h15 r180; Top Overlay "C1" at 10163.5,22358.5 h15 r180; Top Overlay "-In2" at 9876,22546 h15 r180; Top Overlay "-In1" at 10076,22546 h15 r180; Top Overlay "+In2" at 9976,22546 h15 r180; Top Overlay "+In1" at 10176,22546 h15 r180
PC3: Top Overlay "PC817" at 9888.5,21833.5 h20 r270; Top Overlay "PC817" at 10088.5,21833.5 h20 r270; Top Overlay "E2" at 9863.5,21708.5 h15 r180; Top Overlay "C2" at 9963.5,21708.5 h15 r180; Top Overlay "E1" at 10063.5,21708.5 h15 r180; Top Overlay "C1" at 10163.5,21708.5 h15 r180; Top Overlay "-In2" at 9876,21896 h15 r180; Top Overlay "-In1" at 10076,21896 h15 r180; Top Overlay "+In2" at 9976,21896 h15 r180; Top Overlay "+In1" at 10176,21896 h15 r180
PC4: Top Overlay "PC817" at 9888.5,21183.5 h20 r270; Top Overlay "PC817" at 10088.5,21183.5 h20 r270; Top Overlay "E2" at 9863.5,21058.5 h15 r180; Top Overlay "C2" at 9963.5,21058.5 h15 r180; Top Overlay "E1" at 10063.5,21058.5 h15 r180; Top Overlay "C1" at 10163.5,21058.5 h15 r180; Top Overlay "-In2" at 9876,21246 h15 r180; Top Overlay "-In1" at 10076,21246 h15 r180; Top Overlay "+In2" at 9976,21246 h15 r180; Top Overlay "+In1" at 10176,21246 h15 r180
PC5: Top Overlay "PC817" at 9888.5,20533.5 h20 r270; Top Overlay "PC817" at 10088.5,20533.5 h20 r270; Top Overlay "E2" at 9863.5,20408.5 h15 r180; Top Overlay "C2" at 9963.5,20408.5 h15 r180; Top Overlay "E1" at 10063.5,20408.5 h15 r180; Top Overlay "C1" at 10163.5,20408.5 h15 r180; Top Overlay "-In2" at 9876,20596 h15 r180; Top Overlay "-In1" at 10076,20596 h15 r180; Top Overlay "+In2" at 9976,20596 h15 r180; Top Overlay "+In1" at 10176,20596 h15 r180
PC6: Top Overlay "PC817" at 9888.5,19883.5 h20 r270; Top Overlay "PC817" at 10088.5,19883.5 h20 r270; Top Overlay "E2" at 9863.5,19758.5 h15 r180; Top Overlay "C2" at 9963.5,19758.5 h15 r180; Top Overlay "E1" at 10063.5,19758.5 h15 r180; Top Overlay "C1" at 10163.5,19758.5 h15 r180; Top Overlay "-In2" at 9876,19946 h15 r180; Top Overlay "-In1" at 10076,19946 h15 r180; Top Overlay "+In2" at 9976,19946 h15 r180; Top Overlay "+In1" at 10176,19946 h15 r180
PC7: Top Overlay "PC817" at 9888.5,19233.5 h20 r270; Top Overlay "PC817" at 10088.5,19233.5 h20 r270; Top Overlay "E2" at 9863.5,19108.5 h15 r180; Top Overlay "C2" at 9963.5,19108.5 h15 r180; Top Overlay "E1" at 10063.5,19108.5 h15 r180; Top Overlay "C1" at 10163.5,19108.5 h15 r180; Top Overlay "-In2" at 9876,19296 h15 r180; Top Overlay "-In1" at 10076,19296 h15 r180; Top Overlay "+In2" at 9976,19296 h15 r180; Top Overlay "+In1" at 10176,19296 h15 r180
PC8: Top Overlay "PC817" at 9888.5,18583.5 h20 r270; Top Overlay "PC817" at 10088.5,18583.5 h20 r270; Top Overlay "E2" at 9863.5,18458.5 h15 r180; Top Overlay "C2" at 9963.5,18458.5 h15 r180; Top Overlay "E1" at 10063.5,18458.5 h15 r180; Top Overlay "C1" at 10163.5,18458.5 h15 r180; Top Overlay "-In2" at 9876,18646 h15 r180; Top Overlay "-In1" at 10076,18646 h15 r180; Top Overlay "+In2" at 9976,18646 h15 r180; Top Overlay "+In1" at 10176,18646 h15 r180
PC9: Top Overlay "PC817" at 9888.5,17933.5 h20 r270; Top Overlay "PC817" at 10088.5,17933.5 h20 r270; Top Overlay "E2" at 9863.5,17808.5 h15 r180; Top Overlay "C2" at 9963.5,17808.5 h15 r180; Top Overlay "E1" at 10063.5,17808.5 h15 r180; Top Overlay "C1" at 10163.5,17808.5 h15 r180; Top Overlay "-In2" at 9876,17996 h15 r180; Top Overlay "-In1" at 10076,17996 h15 r180; Top Overlay "+In2" at 9976,17996 h15 r180; Top Overlay "+In1" at 10176,17996 h15 r180
PC10: Top Overlay "PC817" at 9888.5,17283.5 h20 r270; Top Overlay "PC817" at 10088.5,17283.5 h20 r270; Top Overlay "E2" at 9863.5,17158.5 h15 r180; Top Overlay "C2" at 9963.5,17158.5 h15 r180; Top Overlay "E1" at 10063.5,17158.5 h15 r180; Top Overlay "C1" at 10163.5,17158.5 h15 r180; Top Overlay "-In2" at 9876,17346 h15 r180; Top Overlay "-In1" at 10076,17346 h15 r180; Top Overlay "+In2" at 9976,17346 h15 r180; Top Overlay "+In1" at 10176,17346 h15 r180
PC11: Top Overlay "PC817" at 14352.5,17186.56 h20 r90; Top Overlay "PC817" at 14152.5,17186.56 h20 r90; Top Overlay "E2" at 14377.5,17311.56 h15; Top Overlay "C2" at 14277.5,17311.56 h15; Top Overlay "E1" at 14177.5,17311.56 h15; Top Overlay "C1" at 14077.5,17311.56 h15; Top Overlay "-In2" at 14365,17124.06 h15; Top Overlay "-In1" at 14165,17124.06 h15; Top Overlay "+In2" at 14265,17124.06 h15; Top Overlay "+In1" at 14065,17124.06 h15
PC12: Top Overlay "PC817" at 14352.5,19136.56 h20 r90; Top Overlay "PC817" at 14152.5,19136.56 h20 r90; Top Overlay "E2" at 14377.5,19261.56 h15; Top Overlay "C2" at 14277.5,19261.56 h15; Top Overlay "E1" at 14177.5,19261.56 h15; Top Overlay "C1" at 14077.5,19261.56 h15; Top Overlay "-In2" at 14365,19074.06 h15; Top Overlay "-In1" at 14165,19074.06 h15; Top Overlay "+In2" at 14265,19074.06 h15; Top Overlay "+In1" at 14065,19074.06 h15
PC13: Top Overlay "PC817" at 14352.5,21086.56 h20 r90; Top Overlay "PC817" at 14152.5,21086.56 h20 r90; Top Overlay "E2" at 14377.5,21211.56 h15; Top Overlay "C2" at 14277.5,21211.56 h15; Top Overlay "E1" at 14177.5,21211.56 h15; Top Overlay "C1" at 14077.5,21211.56 h15; Top Overlay "-In2" at 14365,21024.06 h15; Top Overlay "-In1" at 14165,21024.06 h15; Top Overlay "+In2" at 14265,21024.06 h15; Top Overlay "+In1" at 14065,21024.06 h15
PC14: Top Overlay "PC817" at 14352.5,22386.56 h20 r90; Top Overlay "PC817" at 14152.5,22386.56 h20 r90; Top Overlay "E2" at 14377.5,22511.56 h15; Top Overlay "C2" at 14277.5,22511.56 h15; Top Overlay "E1" at 14177.5,22511.56 h15; Top Overlay "C1" at 14077.5,22511.56 h15; Top Overlay "-In2" at 14365,22324.06 h15; Top Overlay "-In1" at 14165,22324.06 h15; Top Overlay "+In2" at 14265,22324.06 h15; Top Overlay "+In1" at 14065,22324.06 h15
PC15: Top Overlay "PC817" at 14352.5,17836.56 h20 r90; Top Overlay "PC817" at 14152.5,17836.56 h20 r90; Top Overlay "E2" at 14377.5,17961.56 h15; Top Overlay "C2" at 14277.5,17961.56 h15; Top Overlay "E1" at 14177.5,17961.56 h15; Top Overlay "C1" at 14077.5,17961.56 h15; Top Overlay "-In2" at 14365,17774.06 h15; Top Overlay "-In1" at 14165,17774.06 h15; Top Overlay "+In2" at 14265,17774.06 h15; Top Overlay "+In1" at 14065,17774.06 h15
PC16: Top Overlay "PC817" at 14352.5,19786.56 h20 r90; Top Overlay "PC817" at 14152.5,19786.56 h20 r90; Top Overlay "E2" at 14377.5,19911.56 h15; Top Overlay "C2" at 14277.5,19911.56 h15; Top Overlay "E1" at 14177.5,19911.56 h15; Top Overlay "C1" at 14077.5,19911.56 h15; Top Overlay "-In2" at 14365,19724.06 h15; Top Overlay "-In1" at 14165,19724.06 h15; Top Overlay "+In2" at 14265,19724.06 h15; Top Overlay "+In1" at 14065,19724.06 h15
PC17: Top Overlay "PC817" at 14352.5,21736.56 h20 r90; Top Overlay "PC817" at 14152.5,21736.56 h20 r90; Top Overlay "E2" at 14377.5,21861.56 h15; Top Overlay "C2" at 14277.5,21861.56 h15; Top Overlay "E1" at 14177.5,21861.56 h15; Top Overlay "C1" at 14077.5,21861.56 h15; Top Overlay "-In2" at 14365,21674.06 h15; Top Overlay "-In1" at 14165,21674.06 h15; Top Overlay "+In2" at 14265,21674.06 h15; Top Overlay "+In1" at 14065,21674.06 h15
PC18: Top Overlay "PC817" at 14352.5,23036.56 h20 r90; Top Overlay "PC817" at 14152.5,23036.56 h20 r90; Top Overlay "E2" at 14377.5,23161.56 h15; Top Overlay "C2" at 14277.5,23161.56 h15; Top Overlay "E1" at 14177.5,23161.56 h15; Top Overlay "C1" at 14077.5,23161.56 h15; Top Overlay "-In2" at 14365,22974.06 h15; Top Overlay "-In1" at 14165,22974.06 h15; Top Overlay "+In2" at 14265,22974.06 h15; Top Overlay "+In1" at 14065,22974.06 h15
PC19: Top Overlay "PC817" at 14352.5,18486.56 h20 r90; Top Overlay "PC817" at 14152.5,18486.56 h20 r90; Top Overlay "E2" at 14377.5,18611.56 h15; Top Overlay "C2" at 14277.5,18611.56 h15; Top Overlay "E1" at 14177.5,18611.56 h15; Top Overlay "C1" at 14077.5,18611.56 h15; Top Overlay "-In2" at 14365,18424.06 h15; Top Overlay "-In1" at 14165,18424.06 h15; Top Overlay "+In2" at 14265,18424.06 h15; Top Overlay "+In1" at 14065,18424.06 h15
PC20: Top Overlay "PC817" at 14352.5,20436.56 h20 r90; Top Overlay "PC817" at 14152.5,20436.56 h20 r90; Top Overlay "E2" at 14377.5,20561.56 h15; Top Overlay "C2" at 14277.5,20561.56 h15; Top Overlay "E1" at 14177.5,20561.56 h15; Top Overlay "C1" at 14077.5,20561.56 h15; Top Overlay "-In2" at 14365,20374.06 h15; Top Overlay "-In1" at 14165,20374.06 h15; Top Overlay "+In2" at 14265,20374.06 h15; Top Overlay "+In1" at 14065,20374.06 h15
RPI_3B+_1: Top Overlay "1" at 11466.4,18829.93 h35 r180; Top Overlay "3" at 11466.4,18954.93 h35 r180; Top Overlay "5" at 11466.4,19054.93 h35 r180; Top Overlay "7" at 11466.4,19154.93 h35 r180; Top Overlay "9" at 11466.4,19254.93 h35 r180; Top Overlay "11" at 11466.4,19354.93 h35 r180; Top Overlay "13" at 11466.4,19454.93 h35 r180; Top Overlay "15" at 11466.4,19554.93 h35 r180; Top Overlay "17" at 11466.4,19654.93 h35 r180; Top Overlay "19" at 11466.4,19754.93 h35 r180; Top Overlay "21" at 11466.4,19854.93 h35 r180; Top Overlay "23" at 11466.4,19954.93 h35 r180; Top Overlay "25" at 11466.4,20054.93 h35 r180; Top Overlay "27" at 11466.4,20154.93 h35 r180; Top Overlay "29" at 11466.4,20254.93 h35 r180; Top Overlay "31" at 11466.4,20354.93 h35 r180; Top Overlay "33" at 11466.4,20454.93 h35 r180; Top Overlay "35" at 11466.4,20554.93 h35 r180; Top Overlay "37" at 11466.4,20654.93 h35 r180; Top Overlay "39" at 11466.4,20754.93 h35 r180
RTC1: Bottom Overlay "+" at 12950,17960 h200 r180; Bottom Overlay "LITHIUM BATTERY / CR2032 / 3V" at 12725,18235 h45 r180; Bottom Overlay "32K" at 13595,17855 h30 r180; Bottom Overlay "SQW" at 13595,17955 h30 r180; Bottom Overlay "SCL" at 13595,18055 h30 r180; Bottom Overlay "SDA" at 13595,18155 h30 r180; Bottom Overlay "VCC" at 13595,18255 h30 r180; Bottom Overlay "GND" at 13595,18355 h30 r180